# KiCad board mtk64_R_rev2.kicad_pcb (continued)
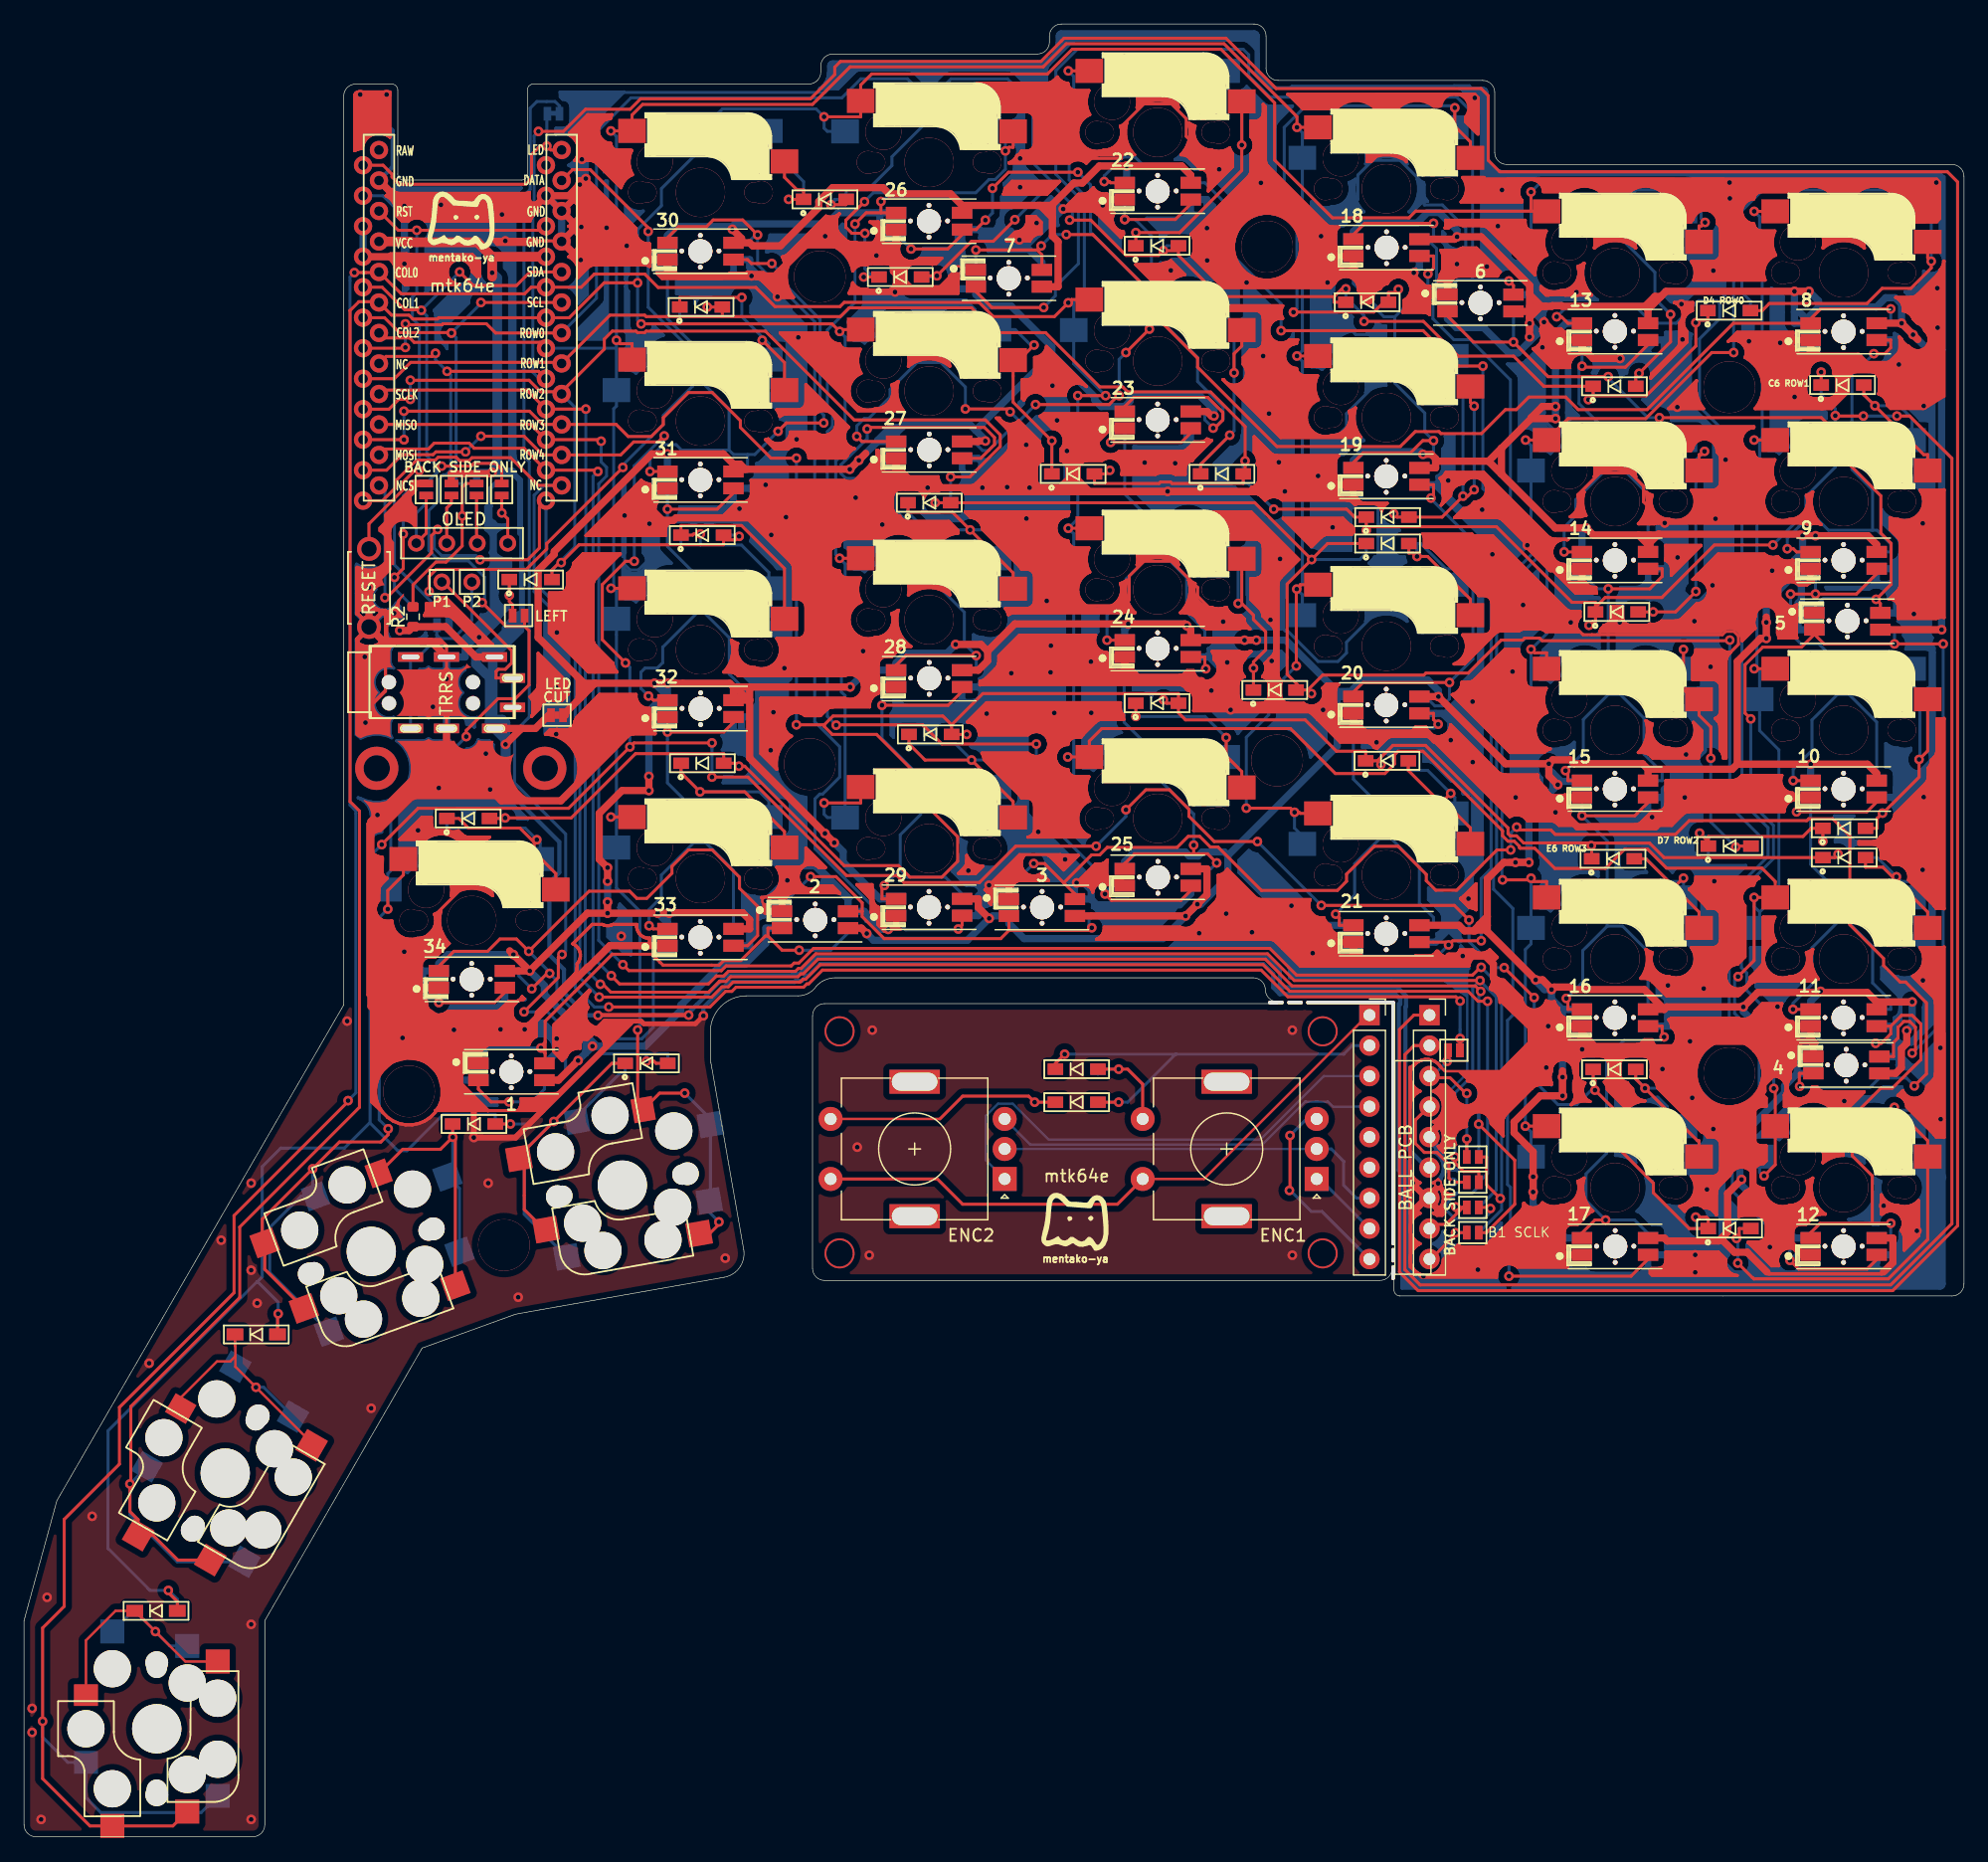
[diagram p0: board, top side]
## Routing (per net, layer and track width the routed paths; a pad name or vN(x,y) marks a point on that pad's centre or on a via; arc(x,y) is an arc through that point) (continued)
108.59,134.22 ; 108.48,134.31 108.59,134.22 ; 70.72,78.86 70.72,78.16 ; 70.72,78.86 70.72,78.16 ; 70.72,78.86 70.69,78.94 ; 70.72,78.86 70.69,78.94 ; 73.17,99.1 73.04,99.03 ; 73.17,99.1 73.31,99.14 ; 73.17,99.1 73.04,99.03 ; 73.17,99.1 73.31,99.14 ; 73.04,99.03 73.03,99.02 ; 73.04,99.03 73.03,99.02 ; 141.16,77.16 141.06,77.24 ; 141.16,77.16 141.06,77.24 ; 44.18,67.62 46.34,69.78 ; 44.18,67.62 44.18,66.22 ; 44.18,67.62 44.18,66.22 ; 44.18,67.62 46.34,69.78 ; 46.34,69.78 46.42,69.85 ; 46.34,69.78 46.42,69.85 ; 69.86,95.67 69.86,95.88 ; 69.86,95.67 69.86,95.88 ; 69.86,95.67 69.83,95.47 ; 69.86,95.67 69.83,95.47 ; 64.11,105.8 64.07,105.94 ; 64.11,105.8 64.12,105.68 ; 64.11,105.8 64.07,105.94 ; 64.11,105.8 64.12,105.68 ; 109.21,129.42 108.84,129.05 ; 109.21,129.42 108.84,129.05 ; 108.84,129.05 99.94,129.05 ; 108.84,129.05 99.94,129.05 ; 138.16,101.52 139.34,102.69 ; 138.16,101.52 138.14,101.49 ; 138.16,101.52 139.34,102.69 ; 138.16,101.52 138.14,101.49 ; 139.34,102.69 139.4,102.69 ; 139.34,102.69 139.4,102.69 ; 135.47,64.75 135.52,64.64 ; 135.47,64.75 135.52,64.64 ; 131.84,64.85 131.74,64.93 ; 131.84,64.85 131.92,64.75 ; 131.84,64.85 131.74,64.93 ; 131.84,64.85 131.92,64.75 ; 131.74,64.93 131.63,64.99 ; 131.74,64.93 131.63,64.99 ; 120.31,62.96 120.25,62.96 120.31,62.96 ; 120.31,62.96 120.51,62.92 ; 120.31,62.96 120.51,62.92 ; 27.88,102.18 27.79,101.92 ; 27.88,102.18 27.79,101.92 ; 147.06,60.83 147.18,60.82 ; 147.06,60.83 147.18,60.82 ; 139.78,92.14 139.78,90.55 ; 139.78,92.14 139.78,90.55 ; 31.27,136.89 31.31,136.89 ; 31.27,136.89 31.31,136.89 ; 31.27,136.89 31.23,136.89 ; 31.27,136.89 31.23,136.89 ; 31.31,136.89 41.77,136.89 ; 31.31,136.89 41.77,136.89 ; 149.38,66.13 149.37,66.13 ; 149.38,66.13 149.37,66.13 ; 147.53,67.4 147.38,67.24 ; 147.53,67.4 147.38,67.24 ; 139.79,102.81 139.96,102.93 ; 139.79,102.81 139.6,102.73 ; 139.79,102.81 139.96,102.93 ; 139.79,102.81 139.6,102.73 ; 139.96,102.93 140.1,103.07 ; 139.96,102.93 140.1,103.07 ; 82.37,79.24 82.35,79.24 ; 82.37,79.24 82.43,79.34 ; 82.37,79.24 82.35,79.24 ; 82.37,79.24 82.43,79.34 ; 36.82,82.03 36.66,82.42 ; 36.82,82.03 36.9,81.62 ; 36.82,82.03 36.66,82.42 ; 36.82,82.03 36.9,81.62 ; 36.66,82.42 36.43,82.77 ; 36.66,82.42 36.43,82.77 ; 89.96,79.57 89.76,79.53 ; 89.96,79.57 89.76,79.53 ; 89.96,79.57 90.17,79.57 ; 89.96,79.57 90.17,79.57 ; 116.69,53.21 115.91,53.99 ; 116.69,53.21 117.05,53.21 ; 116.69,53.21 115.91,52.43 ; 116.69,53.21 117.05,53.21 ; 116.69,53.21 117.05,53.21 ; 116.69,53.21 117.05,53.21 ; 116.69,53.21 115.91,53.99 ; 116.69,53.21 115.91,52.43 ; 115.91,53.99 115.68,53.92 ; 115.91,53.99 115.68,53.92 ; 33.08,70.1 33.12,69.98 ; 33.08,70.1 33.12,69.98 ; 33.12,69.98 33.18,69.87 ; 33.12,69.98 33.18,69.87 ; 144.13,79.37 144.13,79.28 ; 144.13,79.37 144.17,79.49 ; 144.13,79.37 144.13,79.28 ; 144.13,79.37 144.17,79.49 ; 144.13,79.28 144.04,79.28 ; 144.13,79.28 144.04,79.28 ; 46.85,138.11 51,133.97 ; 46.85,138.11 46.19,138.11 ; 46.85,138.11 51,133.97 ; 46.85,138.11 46.19,138.11 ; 78.39,111.96 78.42,111.89 ; 78.39,111.96 78.42,111.89 ; 121.63,111.55 121.74,111.72 ; 121.63,111.55 121.74,111.72 ; 69.66,128.93 69.86,128.89 ; 69.66,128.93 69.47,129.01 ; 69.66,128.93 69.86,128.89 ; 69.66,128.93 69.47,129.01 ; 69.86,128.89 70.06,128.89 ; 69.86,128.89 70.06,128.89 ; 126.47,131.51 126.25,131.29 ; 126.47,131.51 126.73,131.68 ; 126.47,131.51 126.25,131.29 ; 126.47,131.51 126.73,131.68 ; 137.03,118.97 139.35,121.29 ; 137.03,118.97 139.35,121.29 ; 109.29,75.22 109.3,75.22 ; 109.29,75.22 109.16,75.29 ; 109.29,75.22 109.16,75.29 ; 109.29,75.22 109.3,75.22 ; 109.3,75.22 109.28,75.15 ; 109.3,75.22 109.28,75.15 ; 130.94,103.59 130.97,103.59 ; 130.94,103.59 130.97,103.59 ; 109.43,112.75 109.28,112.91 ; 109.43,112.75 109.28,112.91 ; 156.69,61.88 156.84,61.74 ; 156.69,61.88 156.58,62.05 ; 156.69,61.88 156.58,62.05 ; 156.69,61.88 156.84,61.74 ; 156.84,61.74 157.01,61.63 ; 156.84,61.74 157.01,61.63 ; 75.89,129 75.96,128.99 ; 75.89,129 75.96,128.99 ; 75.96,128.99 76.16,128.99 ; 75.96,128.99 76.16,128.99 ; 112.68,128.83 112.58,128.75 ; 112.68,128.83 112.58,128.75 ; 112.58,128.75 112.5,128.66 ; 112.58,128.75 112.5,128.66 ; 147.37,105.13 147.38,105 ; 147.37,105.13 139.43,105.13 ; 147.37,105.13 147.38,105 ; 147.37,105.13 139.43,105.13 ; 147.37,105.13 139.43,105.13 ; 147.37,105.13 139.43,105.13 ; 147.38,105 147.42,104.88 ; 147.38,105 147.42,104.88 ; 126.73,52.67 127.02,52.55 ; 126.73,52.67 127.02,52.55 ; 35.81,131.26 36,131.34 ; 35.81,131.26 36,131.34 ; 28.68,141.59 28.91,141.74 ; 28.68,141.59 28.91,141.74 ; 48.8,143.13 48.88,143.13 ; 48.8,143.13 48.88,143.13 ; 99.95,121.39 100.02,121.29 ; 99.95,121.39 99.89,121.38 ; 99.95,121.39 99.89,121.38 ; 99.95,121.39 100.02,121.29 ; 45.98,93.07 46.02,93.22 ; 45.98,93.07 46.02,93.22 ; 46.02,93.22 46.97,94.16 ; 46.02,93.22 46.97,94.16 ; 101.54,94.46 101.66,94.42 ; 101.54,94.46 101.66,94.42 ; 69.63,95.12 69.75,95.29 ; 69.63,95.12 69.75,95.29 ; 142.32,70.73 142.15,70.85 ; 142.32,70.73 142.15,70.85 ; 115.89,130.44 115.94,130.54 ; 115.89,130.44 115.94,130.54 ; 115.89,130.44 115.8,130.33 ; 115.89,130.44 115.8,130.33 ; 115.94,130.54 115.99,130.54 ; 115.94,130.54 115.99,130.54 ; 72.3,120.95 72.61,121.07 ; 72.3,120.95 72.34,120.86 ; 72.3,120.95 72.34,120.86 ; 72.3,120.95 72.61,121.07 ; 72.61,121.07 72.83,121.22 ; 72.61,121.07 72.83,121.22 ; 50.5,140.14 50.41,139.73 ; 50.5,140.14 50.41,139.73 ; 50.41,139.73 50.41,139.31 ; 50.41,139.73 50.41,139.31 ; 154.67,83.29 154.69,83.3 ; 154.67,83.29 154.66,83.29 ; 154.67,83.29 154.69,83.3 ; 154.67,83.29 154.66,83.29 ; 154.69,83.3 154.82,83.37 ; 154.69,83.3 154.82,83.37 ; 54.42,129.84 54.53,129.83 ; 54.42,129.84 54.53,129.83 ; 89.24,92.82 89.26,92.85 ; 89.24,92.82 89.26,92.85 ; 33.56,69.19 33.64,69 ; 33.56,69.19 33.64,69 ; 33.56,69.19 33.52,69.39 ; 33.56,69.19 33.52,69.39 ; 33.64,69 33.76,68.83 ; 33.64,69 33.76,68.83 ; 35.6,78.41 35.58,78.4 ; 35.6,78.41 35.58,78.4 ; 30.73,137.11 30.85,137.02 ; 30.73,137.11 30.71,137.14 ; 30.73,137.11 30.85,137.02 ; 30.73,137.11 30.71,137.14 ; 30.85,137.02 30.98,136.95 ; 30.85,137.02 30.98,136.95 ; 122.41,72.89 122.37,72.8 ; 122.41,72.89 122.37,72.8 ; 147.09,71.64 147.26,71.64 ; 147.09,71.64 147.26,71.64 ; 128.81,122.8 128.78,122.6 ; 128.81,122.8 128.89,122.99 ; 128.81,122.8 128.89,122.99 ; 128.81,122.8 128.78,122.6 ; 125.07,96.3 125.08,96.17 ; 125.07,96.3 125.08,96.17 ; 125.08,96.17 125.12,96.05 ; 125.08,96.17 125.12,96.05 ; 37.99,64.55 38.01,64.55 ; 37.99,64.55 38.01,64.55 ; 139.06,79.19 139.18,79.36 ; 139.06,79.19 138.92,79.05 ; 139.06,79.19 139.18,79.36 ; 139.06,79.19 138.92,79.05 ; 139.18,79.36 139.26,79.55 ; 139.18,79.36 139.26,79.55 ; 143.16,116.04 143.12,116.24 ; 143.16,116.04 143.12,116.24 ; 62.79,130.14 62.96,130.25 ; 62.79,130.14 62.96,130.25 ; 98.26,102.56 98.53,102.45 ; 98.26,102.56 98.53,102.45 ; 98.26,102.56 98.01,102.72 ; 98.26,102.56 98.01,102.72 ; 98.53,102.45 98.81,102.39 ; 98.53,102.45 98.81,102.39 ; 149.84,123.04 149.63,123.04 ; 149.84,123.04 150.04,123 ; 149.84,123.04 149.63,123.04 ; 149.84,123.04 150.04,123 ; 149.63,123.04 149.43,123 ; 149.63,123.04 149.43,123 ; 99.62,127.53 99.66,127.53 ; 99.62,127.53 99.58,127.53 ; 99.62,127.53 99.66,127.53 ; 99.62,127.53 99.58,127.53 ; 99.66,127.53 104.88,127.53 ; 99.66,127.53 104.88,127.53 ; 77.74,108.59 77.33,108.51 ; 77.74,108.59 77.33,108.51 ; 77.33,108.51 76.94,108.35 ; 77.33,108.51 76.94,108.35 ; 145.69,102.38 145.52,102.47 ; 145.69,102.38 145.52,102.47 ; 135.52,109.37 135.48,109.37 ; 135.52,109.37 135.81,109.37 ; 135.52,109.37 135.48,109.37 ; 135.52,109.37 135.81,109.37 ; 135.48,109.37 135.43,109.37 ; 135.48,109.37 135.43,109.37 ; 104.79,111.39 104.62,111.51 ; 104.79,111.39 104.62,111.51 ; 150.39,122.81 150.23,122.92 ; 150.39,122.81 150.54,122.67 ; 150.39,122.81 150.54,122.67 ; 150.39,122.81 150.23,122.92 ; 150.23,122.92 150.04,123 ; 150.23,122.92 150.04,123 ; 115.89,92.34 115.94,92.44 ; 115.89,92.34 115.8,92.23 ; 115.89,92.34 115.8,92.23 ; 115.89,92.34 115.94,92.44 ; 115.94,92.44 116.82,92.44 ; 115.94,92.44 116.82,92.44 ; 104.35,115.05 104.24,115.06 ; 104.35,115.05 104.24,115.06 ; 143.91,68.32 144.05,68.47 ; 143.91,68.32 143.74,68.21 ; 143.91,68.32 143.74,68.21 ; 143.91,68.32 144.05,68.47 ; 144.05,68.47 144.16,68.64 ; 144.05,68.47 144.16,68.64 ; 143.76,53.95 143.91,54.09 ; 143.76,53.95 143.59,53.83 ; 143.76,53.95 143.91,54.09 ; 143.76,53.95 143.59,53.83 ; 143.91,54.09 144.02,54.26 ; 143.91,54.09 144.02,54.26 ; 84.01,86.36 83.91,86.44 ; 84.01,86.36 84.09,86.26 ; 84.01,86.36 83.91,86.44 ; 84.01,86.36 84.09,86.26 ; 83.91,86.44 83.8,86.49 ; 83.91,86.44 83.8,86.49 ; 143.33,124.18 143.25,124.29 ; 143.33,124.18 143.25,124.29 ; 39.35,68.74 39.49,68.78 ; 39.35,68.74 39.24,68.73 ; 39.35,68.74 39.24,68.73 ; 39.35,68.74 39.49,68.78 ; 99.43,78.12 99.47,78.26 ; 99.43,78.12 99.47,78.26 ; 99.47,78.26 99.48,78.3 ; 99.47,78.26 99.48,78.3 ; 98.51,138.73 98.41,138.81 ; 98.51,138.73 98.41,138.81 ; 118.26,58.36 118.22,58.63 ; 118.26,58.36 118.22,58.63 ; 118.26,58.36 118.25,58.09 ; 118.26,58.36 118.25,58.09 ; 118.22,58.63 118.13,58.89 ; 118.22,58.63 118.13,58.89 ; 28.11,140.63 27.84,140.58 ; 28.11,140.63 28.18,140.63 ; 28.11,140.63 27.84,140.58 ; 28.11,140.63 28.18,140.63 ; 27.84,140.58 27.59,140.47 ; 27.84,140.58 27.59,140.47 ; 148.01,51.01 147.89,51 ; 148.01,51.01 148.48,51.01 ; 148.01,51.01 147.89,51 ; 148.01,51.01 148.48,51.01 ; 33.76,68.83 33.9,68.68 ; 33.76,68.83 33.9,68.68 ; 134.89,137.49 134.48,137.41 ; 134.89,137.49 135.31,137.49 ; 134.89,137.49 134.48,137.41 ; 134.89,137.49 135.31,137.49 ; 128.21,128.79 128.49,128.85 ; 128.21,128.79 128.49,128.85 ; 149.03,53.29 149.23,52.8 ; 149.03,53.29 148.93,53.81 ; 149.03,53.29 148.93,53.81 ; 149.03,53.29 149.23,52.8 ; 149.23,52.8 149.52,52.36 ; 149.23,52.8 149.52,52.36 ; 117.75,64.45 117.53,64.6 ; 117.75,64.45 117.53,64.6 ; 33,83.03 32.88,83.07 ; 33,83.03 33.11,82.98 ; 33,83.03 33.11,82.98 ; 33,83.03 32.88,83.07 ; 32.88,83.07 32.76,83.08 ; 32.88,83.07 32.76,83.08 ; 46.14,129.94 46.09,129.84 ; 46.14,129.94 46.09,129.84 ; 37.97,99.28 35.82,101.43 ; 37.97,99.28 38.03,99.3 ; 37.97,99.28 35.82,101.43 ; 37.97,99.28 38.03,99.3 ; 35.82,101.43 35.79,101.46 ; 35.82,101.43 35.79,101.46 ; 49.99,91.7 49.82,91.59 ; 49.99,91.7 49.82,91.59 ; 129.73,64.93 129.63,64.85 ; 129.73,64.93 129.63,64.85 ; 129.63,64.85 129.55,64.75 ; 129.63,64.85 129.55,64.75 ; 135.57,63.87 135.57,63.45 ; 135.57,63.87 135.57,63.45 ; 129.94,66.55 130.1,66.39 ; 129.94,66.55 130.1,66.39 ; 111.32,111.19 111.44,111.13 ; 111.32,111.19 111.44,111.13 ; 45.36,65.32 45.51,65.46 ; 45.36,65.32 45.25,65.15 ; 45.36,65.32 45.25,65.15 ; 45.36,65.32 45.51,65.46 ; 45.51,65.46 45.68,65.58 ; 45.51,65.46 45.68,65.58 ; 90.79,135.21 90.81,135.24 ; 90.79,135.21 90.81,135.24 ; 83.56,105.59 83.1,105.59 ; 83.56,105.59 83.1,105.59 ; 83.1,105.59 83.04,105.71 ; 83.1,105.59 83.04,105.71 ; 44.47,94.62 44.41,94.61 ; 44.47,94.62 44.41,94.61 ; 141.31,54.28 141.28,54.25 ; 141.31,54.28 141.28,54.25 ; 141.28,54.25 141.16,54.11 ; 141.28,54.25 141.16,54.11 ; 27.59,140.47 27.55,140.45 ; 27.59,140.47 27.55,140.45 ; 79.69,96.25 79.87,96.31 ; 79.69,96.25 79.87,96.31 ; 35.26,130.24 35.3,130.04 ; 35.26,130.24 35.3,130.04 ; 35.26,130.24 35.26,130.45 ; 35.26,130.24 35.26,130.45 ; 35.3,130.04 35.38,129.86 ; 35.3,130.04 35.38,129.86 ; 117.05,53.21 117.83,52.43 ; 117.05,53.21 117.83,53.99 ; 117.05,53.21 117.83,53.99 ; 117.05,53.21 117.83,52.43 ; 71.18,95.49 71.17,95.28 ; 71.18,95.49 71.33,95.65 ; 71.18,95.49 71.17,95.28 ; 71.18,95.49 71.33,95.65 ; 71.17,95.28 71.18,95.24 ; 71.17,95.28 71.18,95.24 ; 150.83,56.66 150.34,56.45 ; 150.83,56.66 150.34,56.45 ; 112.5,128.66 112.45,128.54 ; 112.5,128.66 112.45,128.54 ; 112.45,128.54 112.41,128.43 ; 112.45,128.54 112.41,128.43 ; 83.17,119.82 83.17,121.37 ; 83.17,119.82 83.17,121.37 ; 134.74,84.51 134.77,84.54 ; 134.74,84.51 134.77,84.54 ; 134.77,84.54 135.67,85.44 ; 134.77,84.54 135.67,85.44 ; 75.44,131.04 74.14,131.04 ; 75.44,131.04 74.14,131.04 ; 62.67,97.87 62.84,98.12 ; 62.67,97.87 62.84,98.12 ; 103.24,105.33 103.2,105.21 ; 103.24,105.33 103.2,105.21 ; 68.46,114.89 68.58,115.01 ; 68.46,114.89 68.58,115.01 ; 52.69,110.1 52.81,109.93 ; 52.69,110.1 52.81,109.93 ; 52.69,110.1 52.61,110.29 ; 52.69,110.1 52.61,110.29 ; 52.81,109.93 52.95,109.78 ; 52.81,109.93 52.95,109.78 ; 159.14,63.12 159.08,63.05 ; 159.14,63.12 159.08,63.05 ; 73.36,109.62 73.51,109.58 ; 73.36,109.62 73.23,109.69 ; 73.36,109.62 73.23,109.69 ; 73.36,109.62 73.51,109.58 ; 73.51,109.58 73.62,109.57 ; 73.51,109.58 73.62,109.57 ; 139.22,72.97 139.22,73.28 ; 139.22,72.97 139.22,73.28 ; 48.72,74.22 48.86,74.26 ; 48.72,74.22 48.86,74.26 ; 29.39,76.79 29.51,76.62 ; 29.39,76.79 29.51,76.62 ; 29.39,76.79 29.31,76.97 ; 29.39,76.79 29.31,76.97 ; 29.51,76.62 29.65,76.47 ; 29.51,76.62 29.65,76.47 ; 96.96,95.53 96.88,95.53 ; 96.96,95.53 96.88,95.53 ; 155.74,80.97 155.91,81 ; 155.74,80.97 155.91,81 ; 44.79,135.6 45.58,136.39 ; 44.79,135.6 44.48,135.92 ; 44.79,135.6 44.48,135.92 ; 44.79,135.6 45.58,136.39 ; 45.58,136.39 45.51,136.63 ; 45.58,136.39 45.51,136.63 ; 146.1,100.71 146.16,100.86 ; 146.1,100.71 146.1,100.27 ; 146.1,100.71 146.16,100.86 ; 146.1,100.71 146.1,100.27 ; 146.16,100.86 146.2,101.06 ; 146.16,100.86 146.2,101.06 ; 129.15,123.3 129.01,123.16 ; 129.15,123.3 129.01,123.16 ; 129.01,123.16 128.89,122.99 ; 129.01,123.16 128.89,122.99 ; 153.32,122.88 153.46,122.73 ; 153.32,122.88 153.46,122.73 ; 153.46,122.73 153.63,122.62 ; 153.46,122.73 153.63,122.62 ; 101.69,101.24 101.73,101.1 ; 101.69,101.24 101.73,101.1 ; 101.73,101.1 101.8,100.97 ; 101.73,101.1 101.8,100.97 ; 97.58,76.04 97.69,76.21 ; 97.58,76.04 97.69,76.21 ; 110.3,109.41 110.32,109.39 ; 110.3,109.41 109.88,109.83 ; 110.3,109.41 110.32,109.39 ; 110.3,109.41 109.88,109.83 ; 142.61,100.6 142.42,100.68 ; 142.61,100.6 142.42,100.68 ; 142.61,100.6 142.78,100.49 ; 142.61,100.6 142.78,100.49 ; 146.14,47.71 146.2,47.57 ; 146.14,47.71 146.2,47.57 ; 135.57,63.45 135.56,63.33 ; 135.57,63.45 135.56,63.33 ; 42.84,98.57 45.31,96.1 ; 42.84,98.57 45.31,96.1 ; 103.2,126.75 103.14,126.86 ; 103.2,126.75 103.24,126.63 ; 103.2,126.75 103.24,126.63 ; 103.2,126.75 103.14,126.86 ; 137.89,101.33 138.02,101.4 ; 137.89,101.33 137.75,101.28 ; 137.89,101.33 137.75,101.28 ; 137.89,101.33 138.02,101.4 ; 138.02,101.4 138.14,101.49 ; 138.02,101.4 138.14,101.49 ; 60.35,109.74 60.32,109.77 ; 60.35,109.74 60.32,109.77 ; 154.2,82.9 154.32,82.94 ; 154.2,82.9 154.32,82.94 ; 82.03,101.81 82.02,101.8 ; 82.03,101.81 82.02,101.8 ; 137.73,115.42 137.38,115.66 ; 137.73,115.42 137.93,115.22 ; 137.73,115.42 137.93,115.22 ; 137.73,115.42 137.38,115.66 ; 97.97,96.37 98.16,96.3 ; 97.97,96.37 98.16,96.3 ; 76.59,104.8 76.29,105.09 ; 76.59,104.8 76.29,105.09 ; 53.76,112.2 53.74,112.2 ; 53.76,112.2 53.74,112.2 ; 53.76,112.2 53.76,112.45 ; 53.76,112.2 53.76,112.45 ; 53.74,112.2 53.74,112.18 ; 53.74,112.2 53.74,112.18 ; 141.57,89.86 141.57,89.95 ; 141.57,89.86 141.81,89.86 ; 141.57,89.86 141.57,89.95 ; 141.57,89.86 141.81,89.86 ; 141.57,89.95 141.53,90.15 ; 141.57,89.95 141.53,90.15 ; 159.25,69.62 159.21,69.76 ; 159.25,69.62 159.26,69.51 ; 159.25,69.62 159.21,69.76 ; 159.25,69.62 159.26,69.51 ; 159.21,69.76 159.14,69.89 ; 159.21,69.76 159.14,69.89 ; 138.74,78.93 138.75,78.93 ; 138.74,78.93 138.75,78.93 ; 138.75,78.93 138.92,79.05 ; 138.75,78.93 138.92,79.05 ; 43.5,136.89 43.68,136.71 ; 43.5,136.89 43.68,136.71 ; 43.5,136.89 43.49,136.87 ; 43.5,136.89 43.49,136.87 ; 43.68,136.71 43.67,136.7 ; 43.68,136.71 43.67,136.7 ; 110.63,74.4 109.43,74.4 ; 110.63,74.4 110.63,73.55 ; 110.63,74.4 109.43,74.4 ; 110.63,74.4 110.63,73.55 ; 109.43,74.4 109.28,74.24 ; 109.43,74.4 109.28,74.24 ; 81.67,117.78 81.86,117.71 ; 81.67,117.78 81.86,117.71 ; 144.17,55.71 144.06,55.54 ; 144.17,55.71 144.06,55.54 ; 70.59,77.05 70.6,77.09 ; 70.59,77.05 70.59,76.96 ; 70.59,77.05 70.59,76.96 ; 70.59,77.05 70.6,77.09 ; 70.6,77.09 70.59,77.13 ; 70.6,77.09 70.59,77.13 ; 138.37,52.11 138.37,52.11 ; 138.37,52.11 138.37,52.11 ; 58.75,97.02 58.8,97.03 ; 58.75,97.02 58.8,97.03 ; 86.62,135.58 87.86,136.82 ; 86.62,135.58 87.86,136.82 ; 149.5,51.85 149.35,51.81 ; 149.5,51.85 149.61,51.86 ; 149.5,51.85 149.35,51.81 ; 149.5,51.85 149.61,51.86 ; 149.35,51.81 149.22,51.74 ; 149.35,51.81 149.22,51.74 ; 147.81,109.91 147.54,109.8 ; 147.81,109.91 147.54,109.8 ; 91.6,133.69 91.6,133.52 ; 91.6,133.69 91.6,133.52 ; 106.71,93.79 97.45,93.79 ; 106.71,93.79 97.45,93.79 ; 108.48,76.2 108.63,76.05 ; 108.48,76.2 108.63,76.05 ; 158.09,72.37 158.21,72.66 ; 158.09,72.37 158.21,72.66 ; 158.09,72.37 157.92,72.11 ; 158.09,72.37 157.92,72.11 ; 115.64,64.03 115.54,63.77 ; 115.64,64.03 115.8,64.25 ; 115.64,64.03 115.54,63.77 ; 115.64,64.03 115.8,64.25 ; 137.25,105.63 137.23,105.77 ; 137.25,105.63 137.25,105.59 ; 137.25,105.63 137.23,105.77 ; 137.25,105.63 137.25,105.59 ; 137.23,105.77 137.19,105.92 ; 137.23,105.77 137.19,105.92 ; 109.28,75.15 109.27,75.03 ; 109.28,75.15 109.27,75.03 ; 64.12,105.65 64.12,105.68 ; 64.12,105.65 64.12,105.61 ; 64.12,105.65 64.12,105.61 ; 64.12,105.65 64.12,105.68 ; 116.82,92.44 116.83,92.37 ; 116.82,92.44 116.83,92.37 ; 122.11,100.3 122.19,100.4 ; 122.11,100.3 122.19,100.4 ; 105.57,124.26 105.4,124.15 ; 105.57,124.26 105.4,124.15 ; 119.72,78.12 119.68,78.15 ; 119.72,78.12 119.68,78.15 ; 119.68,78.15 119.79,78.21 ; 119.68,78.15 119.79,78.21 ; 148.73,48.62 148.99,48.62 ; 148.73,48.62 148.73,48.6 ; 148.73,48.62 148.99,48.62 ; 148.73,48.62 148.73,48.6 ; 148.99,48.62 148.99,48.6 ; 148.99,48.62 148.99,48.6 ; 60.88,97.39 60.98,97.35 ; 60.88,97.39 60.71,97.39 ; 60.88,97.39 60.71,97.39 ; 60.88,97.39 60.98,97.35 ; 60.98,97.35 61.28,97.29 ; 60.98,97.35 61.28,97.29 ; 53.74,93.4 53.76,93.4 ; 53.74,93.4 53.76,93.4 ; 53.76,93.4 53.76,93.15 ; 53.76,93.4 53.76,93.15 ; 67.84,133.65 67.91,133.56 ; 67.84,133.65 67.91,133.56 ; 67.84,133.65 67.78,133.75 ; 67.84,133.65 67.78,133.75 ; 67.91,133.56 67.93,133.53 ; 67.91,133.56 67.93,133.53 ; 128.21,125.44 128.34,125.37 ; 128.21,125.44 128.18,125.46 ; 128.21,125.44 128.34,125.37 ; 128.21,125.44 128.18,125.46 ; 134.39,65.98 134.5,65.99 ; 134.39,65.98 134.36,65.98 ; 134.39,65.98 134.5,65.99 ; 134.39,65.98 134.36,65.98 ; 134.5,65.99 134.63,66.03 ; 134.5,65.99 134.63,66.03 ; 29.65,76.47 29.82,76.36 ; 29.65,76.47 29.82,76.36 ; 140.95,74.12 141.06,74.17 ; 140.95,74.12 141.06,74.17 ; 141.06,74.17 141.16,74.25 ; 141.06,74.17 141.16,74.25 ; 75.26,111.93 75.11,111.79 ; 75.26,111.93 75.43,112.04 ; 75.26,111.93 75.11,111.79 ; 75.26,111.93 75.43,112.04 ; 136.55,65.59 136.35,65.63 ; 136.55,65.59 136.35,65.63 ; 59.43,98.44 59.54,98.17 ; 59.43,98.44 59.54,98.17 ; 59.54,98.17 59.71,97.93 ; 59.54,98.17 59.71,97.93 ; 102.36,112.42 102.48,112.46 ; 102.36,112.42 102.48,112.46 ; 102.36,112.42 102.28,112.42 ; 102.36,112.42 102.28,112.42 ; 121.2,103.39 121.14,103.51 ; 121.2,103.39 121.66,103.39 ; 121.2,103.39 121.14,103.51 ; 121.2,103.39 121.66,103.39 ; 115.58,130.18 115.7,130.24 ; 115.58,130.18 115.7,130.24 ; 102.61,104.82 102.22,104.82 ; 102.61,104.82 102.22,104.82 ; 83.56,86.54 83.1,86.54 ; 83.56,86.54 83.68,86.53 ; 83.56,86.54 83.1,86.54 ; 83.56,86.54 83.68,86.53 ; 83.1,86.54 83.04,86.65 ; 83.1,86.54 83.04,86.65 ; 27.77,99.45 27.9,99.32 27.9,98.82 ; 115.64,55.09 115.8,54.87 ; 115.64,55.09 115.54,55.35 ; 115.64,55.09 115.54,55.35 ; 115.64,55.09 115.8,54.87 ; 115.8,54.87 115.99,54.67 ; 115.8,54.87 115.99,54.67 ; 87.86,136.82 88.13,136.82 ; 87.86,136.82 88.13,136.82 ; 137.24,135.57 137.24,135.15 ; 137.24,135.57 137.24,135.15 ; 115.8,64.25 115.99,64.45 ; 115.8,64.25 115.99,64.45 ; 139.26,79.55 139.3,79.75 ; 139.26,79.55 139.3,79.75 ; 139.3,79.75 139.3,79.93 ; 139.3,79.75 139.3,79.93 ; 67.77,133.78 67.78,133.75 ; 67.77,133.78 67.78,133.75 ; 129.11,63.98 129.05,64.16 ; 129.11,63.98 129.12,63.85 ; 129.11,63.98 129.05,64.16 ; 129.11,63.98 129.12,63.85 ; 129.05,64.16 128.97,64.32 ; 129.05,64.16 128.97,64.32 ; 86.98,90.98 86.86,90.98 ; 86.98,90.98 86.98,91.07 ; 86.98,90.98 86.98,91.07 ; 86.98,90.98 86.86,90.98 ; 86.86,90.98 86.66,90.94 ; 86.86,90.98 86.66,90.94 ; 116.74,126.98 116.88,126.94 ; 116.74,126.98 116.88,126.94 ; 33.96,75.38 34.13,75.62 ; 33.96,75.38 34.13,75.62 ; 34.13,75.62 34.24,75.89 ; 34.13,75.62 34.24,75.89 ; 130.49,104.13 